# Allegro board 1151864-PCIE3_0_X16-166-20240802_20240815_2000_pcb.brd (continued)
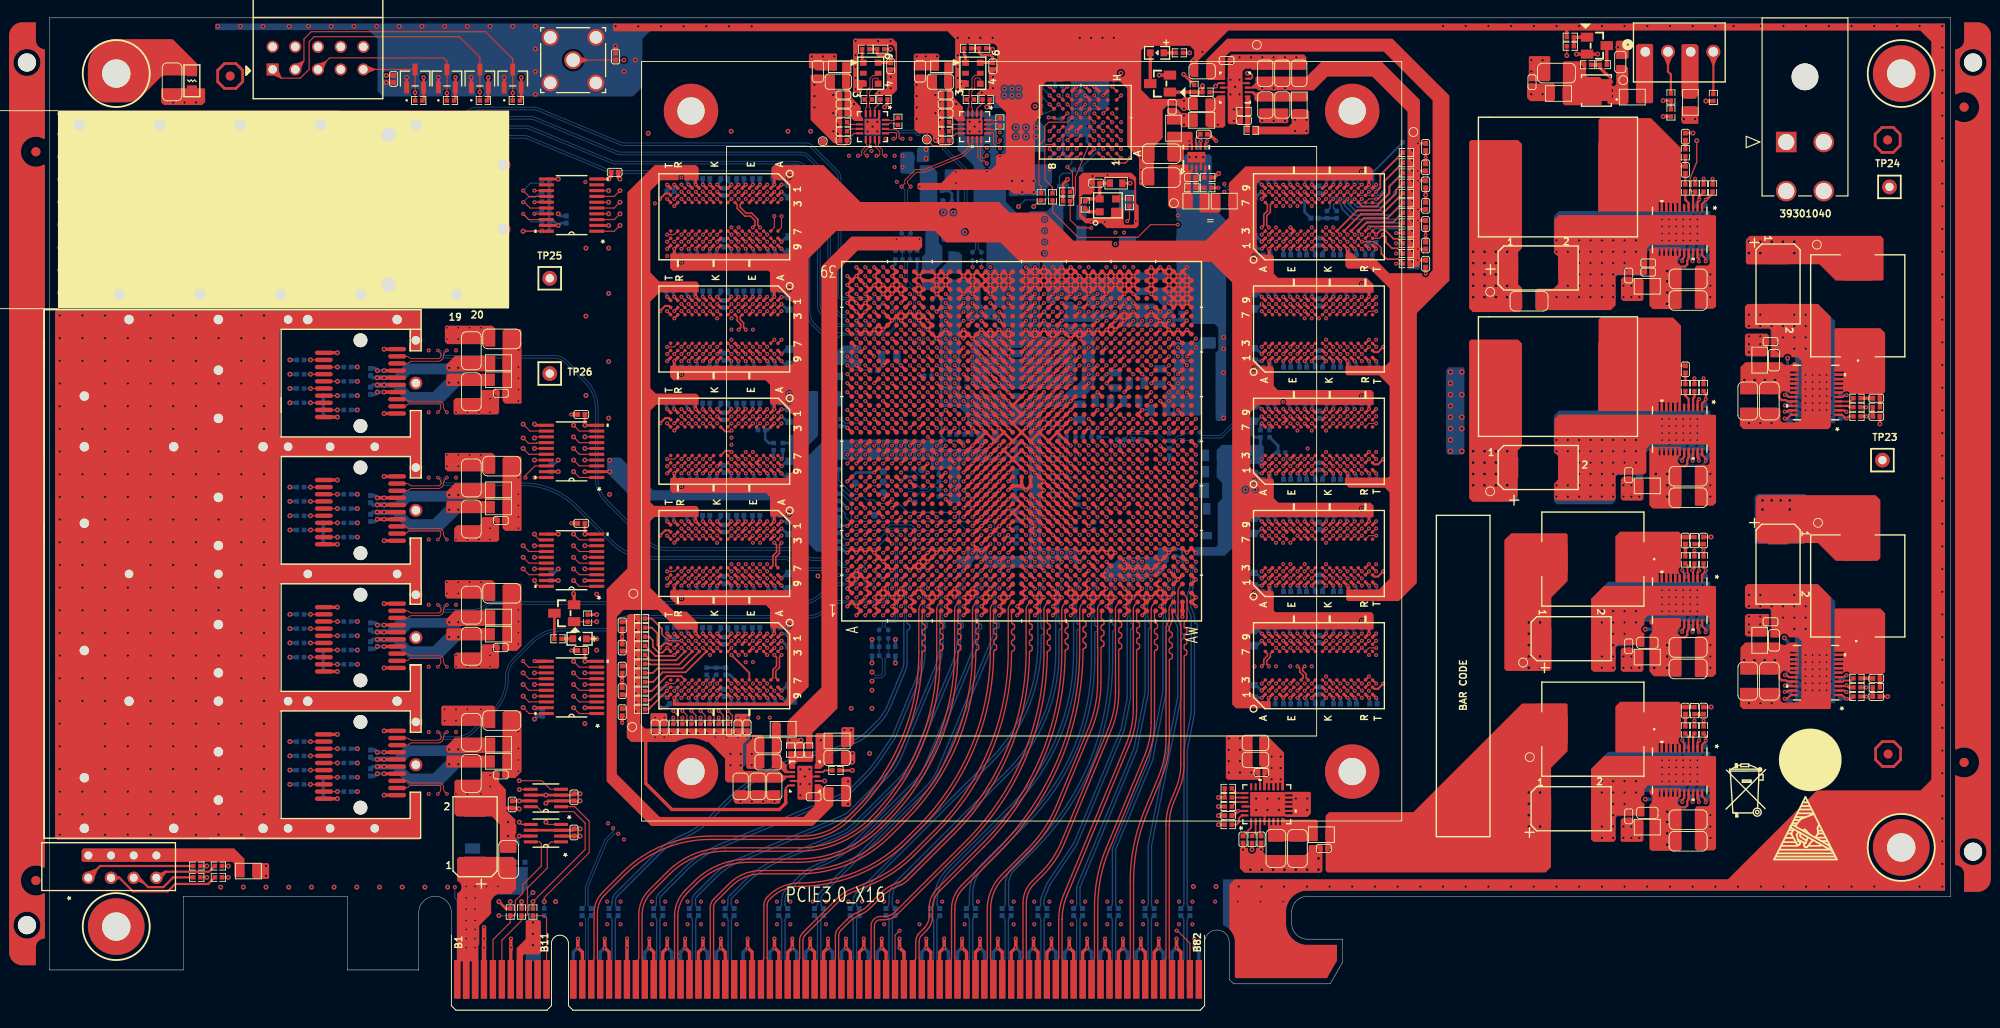
[diagram p0: board, top side]
## Routing (per net, layer and track width the routed paths; a pad name or vN(x,y) marks a point on that pad's centre or on a via; arc(x,y) is an arc through that point) (continued)
FPGA_DDR4_1_LDQS5_T: length 26.1
  TOP w0.127: U1.C29 v1(91.32,73.23) ; U8.G3 v1(77.15,65.73)
  ART10 w0.102: 88.98,72.56 89,72.56 89.07,72.63 90.65,72.63 90.92,72.9 90.92,73.13 91.02,73.23 v1(91.32,73.23)
  ART10 w0.14: 88.98,72.56 87.72,72.56 86.85,71.7 86.38,71.7 85.72,72.35 85.53,72.35 85.13,71.96 85.13,71.76 85.79,71.1 85.79,70.63 85.2,70.05 84.73,70.05 84.08,70.7 83.88,70.7 83.48,70.31 83.48,70.11 84.14,69.45 84.14,68.98 83.75,68.6 83.75,65.8 82.52,64.57 77.81,64.57 77.38,65 77.38,65.49 v1(77.15,65.73)
FPGA_DDR4_1_ODT: length 123.8
  TOP w0.127: U1.M29 v1(100.32,73.23)
  TOP w0.137: v1(75.93,33.53) 76.44,33.02 76.44,32.44 76.08,32.07 R105.1
  TOP w0.229: U6.K3 v1(73.95,53.16) ; U5.K3 v1(73.95,90.87) ; U8.K3 v1(73.95,65.73) ; U4.K3 v1(73.95,78.3) ; U7.K3 v1(73.95,40.58)
  ART03 w0.137: v1(73.95,90.87) 74.17,90.87 74.57,91.27 82.33,91.27
  ART03 w0.155: 82.33,91.27 83.07,91.27 83.23,91.12 83.23,90.81 83.38,90.65 83.75,90.65 83.91,90.81 83.91,92.07 84.06,92.23 84.44,92.23 84.6,92.07 84.6,91.09 84.75,90.93 85.06,90.93 85.22,91.09 85.22,92.07 85.37,92.23 85.68,92.23 85.84,92.07 85.84,91.09 85.99,90.93 86.3,90.93 86.45,91.09 86.45,92.07 86.61,92.23 86.92,92.23 87.07,92.07 87.07,91.09 87.23,90.93 87.54,90.93 87.69,91.09 87.69,92.07 87.85,92.23 88.16,92.23 88.31,92.07 88.31,91.09 88.47,90.93 89.42,90.93 90.96,89.4 92.81,89.4 98.79,83.41 98.79,81.46 98.64,81.3 98.57,81.3 98.41,81.15 98.41,80.84 98.57,80.68 98.64,80.68 98.79,80.53 98.79,80.22 98.64,80.06 98.57,80.06 98.41,79.91 98.41,79.6 98.57,79.44 98.64,79.44 98.79,79.29 98.79,78.16 99.22,77.73 99.22,76.13 99.81,75.54 99.81,75.11 100.19,74.73 100.57,74.73 100.82,74.47 100.82,74.07 100.32,73.56 v1(100.32,73.23)
  ART05 w0.137: v1(73.95,40.58) 75.65,38.88 75.65,34.26 75.93,33.99 v1(75.93,33.53)
  ART10 w0.086: v1(73.95,40.58) 74.35,40.98 74.97,40.98 75.16,41.17 75.16,42.57 72.54,45.19 72.54,45.87 72.75,46.08 72.75,49.94 73.95,51.13 v1(73.95,53.16) 74.35,53.56 74.97,53.56 75.16,53.75 75.16,55.14 72.54,57.76 72.54,58.45 72.75,58.65 72.75,62.48 73.95,63.68 v1(73.95,65.73) 74.35,66.13 74.97,66.13 75.16,66.32 75.16,67.72 72.54,70.33 72.54,71.02 72.75,71.22 72.75,75.03 73.95,76.23 v1(73.95,78.3) 74.35,78.7 74.97,78.7 75.16,78.89 75.16,80.29 72.54,82.91 72.54,83.59 72.75,83.79 72.75,87.15 73.95,88.35 v1(73.95,90.87)
FPGA_DDR4_1_PAR: length 114
  TOP w0.127: U1.H33 v1(96.32,77.23)
  TOP w0.201: R106.1 67.14,41.83 67.55,41.43 67.55,40.69 68.18,40.06 68.62,40.06 v1(69.15,40.58)
  TOP w0.229: U4.T3 v1(69.15,78.3) ; U8.T3 v1(69.15,65.73) ; v1(69.15,40.58) U7.T3 ; U5.T3 v1(69.15,90.87) ; U6.T3 v1(69.15,53.16)
  ART05 w0.137: v1(69.15,90.87) 69.33,90.87 69.73,90.47 70.78,90.47 71.15,90.1 71.15,85.91 71.38,85.67 82.18,85.67
  ART05 w0.155: 82.18,85.67 82.51,85.67 82.67,85.51 82.67,85.07 82.83,84.91 83.14,84.91 83.29,85.07 83.29,85.75 83.45,85.9 83.76,85.9 83.91,85.75 83.91,85.07 84.07,84.91 84.38,84.91 84.53,85.07 84.53,85.75 84.69,85.9 85,85.9 85.15,85.75 85.15,85.07 85.3,84.91 85.61,84.91 85.77,85.07 85.77,85.75 85.92,85.9 86.32,85.9 86.47,85.75 86.47,84.71 87.46,83.72 88.58,83.72 88.74,83.87 88.74,84.12 88.89,84.28 89.2,84.28 89.36,84.12 89.36,83.87 89.51,83.72 90.89,83.72 91.05,83.87 91.05,84.15 91.2,84.3 91.51,84.3 91.67,84.15 91.67,83.87 91.82,83.72 93.15,83.72 93.3,83.87 93.3,84.07 93.46,84.23 93.77,84.23 93.92,84.07 93.92,83.87 94.08,83.72 95.49,83.72 95.87,83.34 95.87,77.68 v1(96.32,77.23)
  ART10 w0.086: v1(69.15,40.58) 68.73,41 68.21,41 67.61,41.6 67.03,42.99 67.03,50.41 68.1,51.48 68.1,51.6 68.05,51.64 68.05,51.76 68.18,51.89 68.3,51.89 68.34,51.84 68.46,51.84 68.59,51.96 68.59,52.09 68.52,52.16 68.52,52.28 68.64,52.4 68.76,52.4 68.83,52.33 68.95,52.33 69.15,52.52 v1(69.15,53.16) 68.73,53.57 68.15,53.57 67.03,54.68 67.03,63.02 67.79,63.77 67.79,63.9 67.68,64 67.68,64.12 67.81,64.25 67.93,64.25 68.03,64.14 68.16,64.14 68.68,64.67 68.68,65.27 v1(69.15,65.73) 68.73,66.14 68.15,66.14 67.03,67.25 67.03,75.59 67.79,76.35 67.79,76.47 67.68,76.58 67.68,76.7 67.81,76.82 67.93,76.82 68.03,76.71 68.16,76.71 68.66,77.22 68.66,77.81 v1(69.15,78.3) 68.73,78.71 68.15,78.71 67.03,79.83 67.03,88.16 67.79,88.92 67.79,89.04 67.68,89.15 67.68,89.27 67.81,89.39 67.93,89.39 68.03,89.29 68.16,89.29 69.15,90.28 v1(69.15,90.87)
FPGA_DDR4_1_RAS_N: length 113.3
  TOP w0.127: U6.L8 v1(73.15,48.36) ; U8.L8 v1(73.15,60.93) ; U5.L8 v1(73.15,86.07) ; U4.L8 v1(73.15,73.5) ; U1.J30 v1(97.32,74.23) ; U7.L8 v1(73.15,35.78)
  ART03 w0.137: v1(73.9,32.77) 73.44,33.22 73.44,33.99 73.55,34.09 73.55,35.38 v1(73.15,35.78)
  ART05 w0.137: 73.55,87.07 U5.L8 v1(73.15,86.07)
  ART05 w0.155: v1(97.32,74.23) 97.32,74.4 97.78,74.85 97.78,80.66 97.93,80.81 98.1,80.81 98.26,80.97 98.26,81.28 98.1,81.43 97.93,81.43 97.78,81.59 97.78,84.43 96.26,85.95 95.85,85.95 95.62,86.18 95.62,86.54 94.6,87.55 93.2,87.55 93.05,87.71 93.05,88.14 92.89,88.29 92.58,88.29 92.43,88.14 92.43,87.71 92.27,87.55 91.96,87.55 91.81,87.71 91.81,88.14 91.65,88.29 91.34,88.29 91.19,88.14 91.19,87.71 91.03,87.55 90.72,87.55 90.57,87.71 90.57,88.14 90.41,88.29 90.1,88.29 89.95,88.14 89.95,87.71 89.79,87.55 89.48,87.55 89.33,87.71 89.33,88.14 89.17,88.29 88.86,88.29 88.71,88.14 88.71,87.71 88.55,87.55 88.24,87.55 88.09,87.71 88.09,88.14 87.93,88.29 87.62,88.29 87.47,88.14 87.47,87.71 87.31,87.55 81.9,87.55 80.38,89.08 75.04,89.08 73.55,87.58 73.55,87.07
  ART12 w0.086: v1(73.15,86.07) 73.24,85.98 73.36,85.98 73.57,85.77 73.81,85.67 74.07,85.67 74.35,85.4 74.35,82.55 74.14,82.34 74.14,82.22 74.26,82.1 74.26,81.98 74.14,81.86 74.02,81.86 73.9,81.98 73.77,81.98 73.65,81.85 73.65,81.73 73.76,81.62 73.76,81.5 73.64,81.38 73.51,81.38 73.41,81.49 73.29,81.49 72.75,80.95 72.75,74.07 73.15,73.67 v1(73.15,73.5) 73.24,73.41 73.36,73.41 73.57,73.2 73.81,73.1 74.07,73.1 74.35,72.83 74.35,69.97 74.14,69.77 74.14,69.65 74.26,69.53 74.26,69.41 74.14,69.28 74.02,69.28 73.9,69.4 73.77,69.4 73.65,69.28 73.65,69.16 73.76,69.05 73.76,68.93 73.64,68.81 73.51,68.81 73.41,68.91 73.29,68.91 72.75,68.38 72.75,61.5 73.15,61.1 v1(73.15,60.93) 73.24,60.84 73.36,60.84 73.57,60.63 73.81,60.53 74.07,60.53 74.35,60.26 74.35,57.4 74.14,57.2 74.14,57.07 74.26,56.95 74.26,56.83 74.14,56.71 74.02,56.71 73.9,56.83 73.77,56.83 73.65,56.71 73.65,56.59 73.76,56.48 73.76,56.36 73.64,56.23 73.51,56.23 73.41,56.34 73.29,56.34 72.75,55.8 72.75,48.92 73.15,48.52 v1(73.15,48.36) 73.24,48.26 73.36,48.26 73.57,48.05 73.81,47.96 74.07,47.96 74.35,47.68 74.35,44.83 74.14,44.62 74.14,44.5 74.26,44.38 74.26,44.26 74.14,44.14 74.02,44.14 73.9,44.26 73.77,44.26 73.65,44.13 73.65,44.01 73.76,43.91 73.76,43.78 73.64,43.66 73.51,43.66 73.41,43.77 73.29,43.77 72.75,43.23 72.75,36.35 73.15,35.95 v1(73.15,35.78)
  BOTTOM w0.201: R96.1 v1(73.9,32.77)
FPGA_DDR4_1_RESET_N: length 103.7
  TOP w0.127: U4.P1 v1(70.75,79.9) ; U1.E31 v1(93.32,75.23) ; U7.P1 v1(70.75,42.18) ; U8.P1 v1(70.75,67.33) ; U5.P1 v1(70.75,92.47) ; U6.P1 v1(70.75,54.76)
  ART03 w0.127: v1(70.75,92.47) 70.14,91.87 67.96,91.87 67.24,91.16 67.24,83.4 v1(70.75,79.9) 70.35,79.5 70.35,72.55 70.34,72.55 70.34,72.54 69.95,72.15 69.95,68.12 v1(70.75,67.33) 70.35,66.93 70.35,59.98 70.34,59.97 70.34,59.97 69.95,59.58 69.95,55.55 v1(70.75,54.76) 70.35,54.36 70.35,47.41 70.34,47.4 70.34,47.39 69.95,47.01 69.95,42.97 v1(70.75,42.18)
  ART05 w0.127: v1(93.32,75.23) 92.96,75.23 92.44,75.74 91.17,75.74 90.79,76.12 90.79,76.45 90.59,76.66 89.22,76.66 88.71,77.17 88.71,77.37 84.85,81.23 67.73,81.23 67.35,81.61 67.35,91.62 67.6,91.87 70.14,91.87 v1(70.75,92.47)
  BOTTOM w0.127: v1(70.75,42.18) 70.08,42.85 R73.1
FPGA_DDR4_1_UDM1_N: length 19.9
  TOP w0.127: U4.E2 v1(78.75,79.1) ; U1.D25 v1(92.32,69.23)
  ART03 w0.137: v1(92.32,69.23) 92.32,69.51 91.81,70.03 91.81,70.41 91.43,70.79 90.16,70.79 89.77,71.17 89.77,71.42 89.52,71.68 88.76,71.68 82.66,77.77 79.31,77.77 79.15,77.94 79.15,78.7 v1(78.75,79.1)
FPGA_DDR4_1_UDM2_N: length 44.6
  TOP w0.127: U1.P25 v1(102.32,69.23) ; U5.E2 v1(78.75,91.67)
  ART10 w0.137: v1(78.75,91.67) 79.15,91.27 81.31,91.27 81.54,91.04 81.54,90.66 81.86,90.35 85.55,90.35 93.77,86.94 94.24,86.94 94.38,87.08 94.38,87.44 94.52,87.58 94.79,87.58 94.93,87.44 94.93,87.08 95.07,86.94 95.34,86.94 95.48,87.08 95.48,87.44 95.61,87.58 95.89,87.58 96.03,87.44 96.03,87.08 96.16,86.94 99.5,86.94 100.75,85.69 arc(101.2,85.14) 101.54,84.51 arc(101.74,83.85) 101.8,83.16 101.8,81.62 102.86,80.57 102.86,71.04 102.26,70.45 102.26,69.29 v1(102.32,69.23)
FPGA_DDR4_1_UDM3_N: length 26.2
  TOP w0.127: U6.E2 v1(78.75,53.96)
  TOP w0.201: U1.E20 v1(93.32,63.23)
  ART03 w0.137: v1(78.75,53.96) 79.22,53.64 79.42,53.56 80.51,53.56 80.75,53.32 80.75,51.88 81.65,50.98 83.04,50.98 84.26,52.2 84.26,57.89 89.04,62.66 92.1,62.66 92.55,62.85 92.66,62.95 v1(93.32,63.23)
FPGA_DDR4_1_UDM4_N: length 46.7
  TOP w0.127: U7.E2 v1(78.75,41.38) ; U1.N22 v1(101.32,66.23)
  ART10 w0.137: v1(101.32,66.23) 101,66.02 100.09,65.58 99.89,65.39 99.76,65.08 98.56,63.87 98.21,63.73 90.38,63.73 89.04,63.18 84.16,58.29 84.16,46.28 83.78,45.9 83.78,40.13 83.02,39.37 80.99,39.37 80.75,39.61 80.75,40.78 80.54,40.98 79.42,40.98 79.03,41.19 v1(78.75,41.38)
FPGA_DDR4_1_UDQS1_C: length 21.6
  TOP w0.127: U1.E23 v1(93.32,67.23) ; U4.A7 v1(81.95,75.1)
  ART03 w0.102: 88.78,65.89 88.81,65.89 88.87,65.83 92.57,65.83 92.72,65.98 92.72,66.49 93.06,66.83 93.56,66.83 93.72,66.99 93.72,67.13 93.62,67.23 v1(93.32,67.23)
  ART03 w0.14: 88.78,65.89 88.45,65.89 88.06,66.28 88.06,66.48 88.28,66.7 88.28,66.9 88.08,67.1 87.88,67.1 87.66,66.88 87.46,66.88 87.08,67.26 87.08,68.89 86.42,69.55 85.95,69.55 85.91,69.5 85.71,69.5 85.31,69.9 85.31,70.1 85.36,70.14 85.36,70.61 83.17,72.8 83.17,73.54 82.24,74.47 81.9,74.47 81.71,74.67 81.71,74.87 v1(81.95,75.1)
FPGA_DDR4_1_UDQS1_T: length 21.6
  TOP w0.127: U1.F23 v1(94.32,67.23) ; U4.B7 v1(81.15,75.1)
  ART03 w0.102: v1(94.32,67.23) 94.02,67.23 93.92,67.13 93.92,66.9 93.65,66.63 93.14,66.63 92.92,66.41 92.92,65.9 92.65,65.63 88.87,65.63 88.81,65.56 88.78,65.56
  ART03 w0.14: 88.78,65.56 88.31,65.56 86.75,67.13 86.75,68.75 86.28,69.22 86.09,69.22 86.04,69.18 85.57,69.18 84.98,69.76 84.98,70.23 85.03,70.28 85.03,70.47 82.84,72.66 82.84,73.4 82.1,74.15 81.77,74.15 81.38,74.53 81.38,74.87 v1(81.15,75.1)
FPGA_DDR4_1_UDQS2_C: length 44.8
  TOP w0.127: U5.A7 81.95,87.67 v1(81.95,88.94) ; U1.M25 v1(100.32,69.23)
  ART10 w0.102: 99.99,83.77 99.99,83.74 99.92,83.68 99.92,68.93 100.03,68.83 100.22,68.83 100.32,68.93 v1(100.32,69.23)
  ART10 w0.14: v1(81.95,88.94) 81.71,88.71 81.71,87.79 82.21,87.3 82.87,87.3 83.01,87.44 83.01,87.54 83.15,87.68 83.43,87.68 83.57,87.54 83.57,87.44 83.71,87.3 85.97,87.3 87.06,86.21 87.26,86.21 87.91,86.86 88.38,86.86 88.97,86.28 88.97,85.81 88.31,85.15 88.31,84.96 88.69,84.58 89.9,84.58 90.04,84.72 90.04,85.83 90.37,86.16 91.15,86.16 91.53,85.77 91.53,84.72 91.7,84.56 99.53,84.56 99.99,84.1 99.99,83.77
FPGA_DDR4_1_UDQS2_T: length 44.7
  TOP w0.127: U5.B7 81.15,87.67 v1(81.15,88.94) ; U1.M24 v1(100.32,68.23)
  ART10 w0.102: 99.66,83.77 99.66,83.74 99.72,83.68 99.72,68.85 99.94,68.63 100.22,68.63 100.32,68.53 v1(100.32,68.23)
  ART10 w0.14: 99.66,83.77 99.66,83.97 99.4,84.23 91.56,84.23 91.2,84.59 91.2,85.64 91.01,85.83 90.5,85.83 90.36,85.69 90.36,84.59 90.03,84.25 88.55,84.25 87.99,84.82 87.99,85.29 88.64,85.94 88.64,86.14 88.24,86.54 88.05,86.54 87.39,85.88 86.92,85.88 85.84,86.97 82.07,86.97 81.38,87.66 81.38,88.71 v1(81.15,88.94)
FPGA_DDR4_1_UDQS3_C: length 29.8
  TOP w0.127: U1.E22 v1(93.32,66.23)
  TOP w0.173: U6.A7 81.31,49.79 81.31,50.77 81.72,51.18 81.72,52.13 v1(81.95,52.36)
  ART03 w0.102: v1(93.32,66.23) 93.62,66.23 93.72,66.13 93.72,64.93 93.66,64.87 93.66,64.85
  ART03 w0.14: 93.66,64.85 93.66,64.39 93.28,64.01 89.77,64.01 89.31,63.55 88.32,63.55 83.27,58.5 83.27,57.98 83.13,57.84 82.54,57.84 82.15,57.46 82.15,56.73 82.54,56.35 83.13,56.35 83.27,56.21 83.27,55.18 83.13,55.04 82.95,55.04 82.81,54.9 82.81,54.62 82.95,54.48 83.13,54.48 83.27,54.34 83.27,54.06 83.13,53.92 82.95,53.92 82.81,53.78 82.81,53.5 82.95,53.36 83.13,53.36 83.27,53.22 83.27,52.73 82.41,51.87 81.93,51.87 81.79,52.01 81.79,52.2 v1(81.95,52.36)
FPGA_DDR4_1_UDQS3_T: length 29.8
  TOP w0.127: U1.F22 v1(94.32,66.23)
  TOP w0.173: U6.B7 80.98,49.79 80.98,50.9 81.39,51.31 81.39,52.11 v1(81.15,52.36)
  ART03 w0.102: v1(94.32,66.23) 94.02,66.23 93.92,66.13 93.92,64.93 93.98,64.87 93.98,64.85
  ART03 w0.14: v1(81.15,52.36) 81.47,52.03 81.47,51.87 81.8,51.54 82.54,51.54 83.6,52.59 83.6,56.34 83.27,56.67 82.67,56.67 82.48,56.86 82.48,57.32 82.67,57.51 83.27,57.51 83.6,57.84 83.6,58.37 88.46,63.22 89.45,63.22 89.9,63.68 93.42,63.68 93.98,64.25 93.98,64.85
FPGA_DDR4_1_UDQS4_C: length 46.1
  TOP w0.173: v1(81.95,39.78) 81.72,39.56 81.72,38.4 81.31,37.99 81.31,37.22 U7.A7 ; U1.K22 v1(99.32,65.23)
  ART10 w0.102: 97.14,64.45 97.17,64.45 97.23,64.52 97.58,64.52 97.92,64.86 97.92,65.42 98.13,65.63 99.22,65.63 99.32,65.53 v1(99.32,65.23)
  ART10 w0.14: 97.14,64.45 89.15,64.45 83.5,58.8 83.5,46.66 82.99,46.15 81.81,46.15 81.62,45.96 81.62,45.02 81.76,44.88 82.17,44.88 82.31,44.74 82.31,44.46 82.17,44.33 81.76,44.33 81.62,44.19 81.62,43.54 83.09,42.07 83.09,40.38 82.54,39.82 82.17,39.82 82.13,39.78 v1(81.95,39.78)
FPGA_DDR4_1_UDQS4_T: length 46
  TOP w0.173: U1.L22 v1(99.32,66.23) ; U7.B7 80.98,37.22 80.98,38.12 81.39,38.53 81.39,39.54 v1(81.15,39.78)
  ART10 w0.102: 82.12,40.17 81.65,40.17 81.26,39.78 v1(81.15,39.78) ; 97.14,64.78 97.17,64.78 97.23,64.72 97.5,64.72 97.72,64.94 97.72,65.5 98.05,65.83 99.22,65.83 99.32,65.93 v1(99.32,66.23)
  ART10 w0.14: 97.14,64.78 89.02,64.78 83.17,58.93 83.17,46.79 82.86,46.48 81.67,46.48 81.29,46.1 81.29,43.41 82.76,41.94 82.76,40.51 82.4,40.15 82.14,40.15 82.12,40.17
FPGA_DDR4_1_WE_N: length 127.1
  TOP w0.127: U7.L2 v1(73.15,41.38) ; U8.L2 v1(73.15,66.53) ; U4.L2 v1(73.15,79.1) ; U5.L2 v1(73.15,91.67) ; U1.N28 v1(101.32,72.23) ; U6.L2 v1(73.15,53.96)
  ART03 w0.137: v1(73.15,91.67) 73.55,92.08 73.55,92.73 ; v1(74.92,32.77) 74.81,32.77 74.35,33.23 74.35,38.47 73.55,39.27 73.55,40.98 v1(73.15,41.38)
  ART03 w0.155: 73.55,92.73 74.1,93.28 75.23,93.75 90.32,93.75 90.48,93.6 90.48,93.32 90.63,93.17 90.94,93.17 91.1,93.32 91.1,93.6 91.25,93.75 91.75,93.75 92.72,93.35 93.56,92.5 93.56,92.28 93.29,92.01 93.29,91.79 93.51,91.57 93.72,91.57 94,91.85 94.22,91.85 94.44,91.63 94.44,91.41 94.16,91.13 94.16,90.91 94.78,90.3 95.29,90.3 95.82,89.76 95.82,88.72 95.97,88.57 96.3,88.57 96.46,88.72 96.46,88.95 96.61,89.1 96.92,89.1 97.08,88.95 97.08,88.72 97.23,88.57 97.67,88.57 98.19,88.06 98.19,87.84 97.95,87.6 97.95,87.38 98.17,87.16 98.39,87.16 98.63,87.4 98.85,87.4 99.06,87.18 99.06,86.96 98.83,86.72 98.83,86.5 99.05,86.28 99.26,86.28 99.5,86.52 99.72,86.52 100.72,85.53 101.34,84.02 101.34,76.45 102.07,75.72 102.58,75.72 102.86,75.44 102.86,74.09 102.49,73.73 102.22,73.73 101.84,73.35 101.84,72.95 101.32,72.43 v1(101.32,72.23)
  ART10 w0.086: v1(73.15,91.67) 73.15,91.45 73.55,91.05 73.55,88.71 71.97,87.13 71.97,85.12 71.99,85.11 71.99,82.75 74.11,80.63 74.32,80.13 74.32,79.75 74.07,79.5 73.74,79.5 73.34,79.1 v1(73.15,79.1) 73.15,78.87 73.55,78.48 73.55,76.29 71.97,74.71 71.97,72.55 71.99,72.53 71.99,70.18 74.11,68.05 74.32,67.56 74.32,67.17 74.07,66.93 73.74,66.93 73.34,66.53 v1(73.15,66.53) 73.15,66.3 73.55,65.9 73.55,63.79 71.97,62.22 71.97,59.97 71.99,59.96 71.99,57.61 74.11,55.48 74.32,54.98 74.32,54.6 74.07,54.36 73.74,54.36 73.34,53.96 v1(73.15,53.96) 73.15,53.73 73.55,53.33 73.55,51.24 71.97,49.67 71.97,47.4 71.99,47.39 71.99,45.03 74.11,42.91 74.32,42.41 74.32,42.03 74.07,41.78 73.74,41.78 73.34,41.38 v1(73.15,41.38)
  BOTTOM w0.201: R93.1 v1(74.92,32.77)
FPGA_DDR4_2_A0: length 130.2
  TOP w0.127: U11.P3 v1(146.89,36.58) ; U9.P3 v1(146.89,86.87) ; U12.P3 v1(146.89,49.16) ; U1.AK18 v1(119.32,61.23) ; U13.P3 v1(146.89,61.73) ; U10.P3 v1(146.89,74.3)
  TOP w0.201: U9.P3 147.48,88.26 150.41,88.26 R120.1
  ART03 w0.155: v1(146.89,36.58) 146.89,37.57 145.17,39.29 141.92,39.29 141.67,39.55 132.09,39.55 131.94,39.39 131.94,38.99 131.78,38.84 131.36,38.84 131.2,38.99 131.2,39.04 131.05,39.19 130.74,39.19 130.58,39.04 130.58,38.48 130.43,38.33 130.07,38.33 129.92,38.48 129.92,38.63 129.76,38.79 129.45,38.79 129.3,38.63 129.3,38.36 129.14,38.2 128.83,38.2 128.68,38.36 128.68,38.63 128.52,38.79 128.21,38.79 128.06,38.63 128.06,38.36 127.9,38.2 127.59,38.2 127.44,38.36 127.44,38.63 127.28,38.79 126.98,38.79 126.82,38.63 126.82,38.36 126.67,38.2 126.36,38.2 126.2,38.36 126.2,38.63 126.05,38.79 125.74,38.79 125.58,38.63 125.58,38.36 125.43,38.2 125.12,38.2 124.96,38.36 124.96,38.63 124.81,38.79 124.5,38.79 124.34,38.63 124.34,38.36 124.19,38.2 123.88,38.2 123.72,38.36 123.72,38.63 123.57,38.79 123.26,38.79 123.1,38.63 123.1,38.36 122.95,38.2 122.64,38.2 122.48,38.36 122.48,38.63 122.33,38.79 122.02,38.79 121.86,38.63 121.86,38.36 121.71,38.2 121.4,38.2 121.24,38.36 121.24,38.63 121.09,38.79 119.92,38.79 118.32,40.39 118.32,44.04 117.84,44.53 117.84,60.38 118.22,60.76 118.6,60.76 119.08,61.23 v1(119.32,61.23)
  ART12 w0.086: v1(146.89,36.58) 147.28,37.52 147.78,38.02 148.17,38.18 149.59,39.6 149.72,39.91 149.72,44.21 149.15,47.08 148.86,47.77 148.7,47.93 148.32,47.93 148.07,48.18 147.69,48.18 146.89,48.98 v1(146.89,49.16) 146.89,49.8 149.72,52.63 149.72,56.78 149.15,59.65 148.86,60.35 148.7,60.5 148.32,60.5 148.07,60.76 147.69,60.76 146.89,61.55 v1(146.89,61.73) 146.89,62.35 149.72,65.18 149.72,69.35 149.15,72.22 148.86,72.92 148.7,73.08 148.32,73.08 148.07,73.33 147.69,73.33 146.89,74.12 v1(146.89,74.3) 146.89,74.9 149.72,77.72 149.72,81.91 149.14,84.81 148.86,85.49 148.7,85.65 148.32,85.65 148.07,85.9 147.69,85.9 146.89,86.7 v1(146.89,86.87)
FPGA_DDR4_2_A1: length 127.7
  TOP w0.127: U13.P7 v1(146.89,65.73) ; U9.P7 v1(146.89,90.87) ; U12.P7 v1(146.89,53.16) ; U11.P7 v1(146.89,40.58) ; U10.P7 v1(146.89,78.3) ; U1.AR21 v1(124.32,65.23)
  TOP w0.201: R121.1 149.97,92.27 149.97,91.47 148.54,90.04 146.93,90.04 U9.P7
  ART03 w0.137: 146.49,42.61 146.49,40.99 146.89,40.59 v1(146.89,40.58)
  ART03 w0.155: 146.49,42.61 146.39,42.71 146.39,46.81 146.24,46.96 145.82,46.96 145.66,46.81 145.66,46.21 145.51,46.05 145.2,46.05 145.04,46.21 145.04,46.81 144.89,46.96 144.58,46.96 144.42,46.81 144.42,46.21 144.27,46.05 143.96,46.05 143.8,46.21 143.8,46.81 143.65,46.96 143.34,46.96 143.18,46.81 143.18,46.21 143.03,46.05 142.72,46.05 142.56,46.21 142.56,46.81 142.41,46.96 142.1,46.96 141.94,46.81 141.94,46.21 141.79,46.05 141.48,46.05 141.32,46.21 141.32,46.81 141.17,46.96 140.86,46.96 140.71,46.81 140.71,46.21 140.55,46.05 140.24,46.05 140.09,46.21 140.09,46.81 139.93,46.96 139.62,46.96 139.47,46.81 139.47,46.21 139.31,46.05 139,46.05 138.85,46.21 138.85,46.81 138.69,46.96 138.38,46.96 138.23,46.81 138.23,46.21 138.07,46.05 137.76,46.05 137.61,46.21 137.61,46.81 137.45,46.96 137.14,46.96 136.99,46.81 136.99,46.21 136.83,46.05 136.52,46.05 136.37,46.21 136.37,46.81 136.21,46.96 135.62,46.96 135.42,47.17 133.78,47.17 130.16,48.67 126.05,48.67 125.89,48.82 125.89,49.43 125.59,49.73 125.03,49.73 124.83,49.94 124.83,63.35 124.32,63.85 v1(124.32,65.23)
  ART10 w0.086: v1(146.89,40.58) 146.89,40.85 146.49,41.25 146.49,41.51 146.77,41.78 147.02,41.78 147.29,42.05 147.29,43.52 147.67,43.9 147.79,43.9 147.88,43.8 148,43.8 148.13,43.92 148.13,44.05 148.03,44.14 148.03,44.26 148.89,45.12 148.89,50.53 146.89,52.53 v1(146.89,53.16) 146.89,53.42 146.49,53.82 146.49,54.08 146.77,54.36 147.02,54.36 147.29,54.63 147.29,56.1 147.67,56.47 147.79,56.47 147.88,56.38 148,56.38 148.13,56.5 148.13,56.62 148.03,56.71 148.03,56.84 148.89,57.7 148.89,63.11 146.89,65.11 v1(146.89,65.73) 146.89,65.99 146.49,66.39 146.49,66.66 146.77,66.93 147.02,66.93 147.29,67.2 147.29,68.67 147.67,69.04 147.79,69.04 147.88,68.95 148,68.95 148.13,69.07 148.13,69.19 148.03,69.29 148.03,69.41 148.89,70.27 148.89,75.68 146.89,77.68 v1(146.89,78.3) 146.89,78.57 146.49,78.97 146.49,79.23 146.77,79.5 147.02,79.5 147.29,79.77 147.29,81.24 147.67,81.62 147.79,81.62 147.88,81.52 148,81.52 148.13,81.64 148.13,81.77 148.03,81.86 148.03,81.98 148.89,82.84 148.89,88.25 146.89,90.25 v1(146.89,90.87)
FPGA_DDR4_2_A2: length 129.2
  TOP w0.127: U1.AH21 v1(117.32,65.23)
  TOP w0.201: R122.1 151.07,87.78 147.8,87.78 v1(147.69,87.67)
  TOP w0.229: U9.R3 v1(147.69,87.67) ; U11.R3 v1(147.69,37.38) ; U10.R3 v1(147.69,75.1) ; U13.R3 v1(147.69,62.53) ; U12.R3 v1(147.69,49.96)
  ART05 w0.155: v1(117.32,65.23) 115.81,63.72 115.81,62.03 115.56,61.77 115.05,61.77 114.79,61.52 114.79,46.05 115.43,45.42 115.43,44.99 115.78,44.15 116.39,43.54 116.57,43.54 119.19,40.92 122.06,40.92 124.19,38.79 126.73,38.79 126.88,38.63 126.88,38.36 127.04,38.2 127.35,38.2 127.5,38.36 127.5,38.63 127.66,38.79 128.08,38.79 128.23,38.63 128.23,38.2 128.39,38.05 128.7,38.05 128.85,38.2 128.85,38.63 129.01,38.79 129.31,38.79 129.47,38.63 129.47,38.2 129.62,38.05 129.93,38.05 130.09,38.2 130.09,38.63 130.24,38.79 130.55,38.79 130.71,38.63 130.71,38.2 130.86,38.05 133.82,38.05 134.48,37.39 141.87,37.39 142.53,38.05 143.14,38.05 143.81,37.38 v1(147.69,37.38)
  ART12 w0.086: v1(147.69,37.38) 147.83,37.38 149.97,39.52 149.97,44.98 149.6,46.85 149.13,47.99 148.94,48.18 148.45,48.18 148.19,48.44 147.81,48.44 147.31,48.95 147.31,49.32 147.48,49.74 v1(147.69,49.96) 147.69,50.17 149.97,52.45 149.97,57.81 149.61,59.61 149.27,60.43 148.95,60.75 148.45,60.75 148.19,61.01 147.81,61.01 147.31,61.52 147.31,62.14 v1(147.69,62.53) 147.69,62.72 149.97,65 149.97,70.38 149.61,72.18 149.27,73.01 148.95,73.33 148.45,73.33 148.19,73.58 147.81,73.58 147.31,74.09 147.31,74.71 v1(147.69,75.1) 147.69,75.27 149.97,77.55 149.97,82.06 149.27,85.58 148.95,85.9 148.45,85.9 148.19,86.16 147.81,86.16 147.31,86.66 147.31,87.29 v1(147.69,87.67)
FPGA_DDR4_2_A3: length 129.7
  TOP w0.127: U10.N7 v1(146.09,78.3) ; U1.AR19 v1(124.32,62.23) ; U12.N7 v1(146.09,53.16) ; U9.N7 v1(146.09,90.87) ; U13.N7 v1(146.09,65.73) ; U11.N7 v1(146.09,40.58)
  ART03 w0.137: v1(146.09,40.58) 146.09,40.63 145.69,41.03 145.69,41.58 145.49,41.78 145.13,41.78 144.89,42.02 144.89,42.56
  ART03 w0.155: v1(124.32,62.23) 124.32,62.03 122.79,60.5 122.79,45.21 123.28,44.73 129.21,44.73 129.37,44.88 129.37,45.82 129.52,45.97 129.83,45.97 129.99,45.82 129.99,44.88 130.14,44.73 130.45,44.73 130.61,44.88 130.61,45.82 130.76,45.97 131.07,45.97 131.23,45.82 131.23,44.88 131.38,44.73 131.69,44.73 131.85,44.88 131.85,45.82 132,45.97 132.31,45.97 132.47,45.82 132.47,44.88 132.62,44.73 132.93,44.73 133.09,44.88 133.09,45.82 133.24,45.97 133.55,45.97 133.71,45.82 133.71,45.29 133.86,45.14 143.3,45.14 143.46,44.98 143.46,43.36 143.61,43.21 143.92,43.21 144.08,43.36 144.08,44.98 144.23,45.14 144.84,45.14 145.4,44.57 145.4,44.06 145.25,43.91 144.87,43.91 144.71,43.75 144.71,43.44 144.87,43.29 145.25,43.29 145.4,43.13 145.4,42.82 145.25,42.68 145.01,42.68 144.89,42.56
  ART10 w0.086: v1(146.09,40.58) 146.09,40.76 145.69,41.16 145.69,44.13 145.91,44.35 145.91,44.47 145.74,44.64 145.74,44.77 145.86,44.89 145.99,44.89 146.16,44.72 146.28,44.72 146.4,44.84 146.4,44.96 146.24,45.12 146.24,45.24 146.36,45.36 146.49,45.36 146.64,45.21 146.77,45.21 147.29,45.73 147.29,50.99 146.09,52.19 v1(146.09,53.16) 146.09,53.33 145.69,53.73 145.69,56.71 145.91,56.92 145.91,57.05 145.74,57.22 145.74,57.34 145.86,57.46 145.99,57.46 146.16,57.29 146.28,57.29 146.4,57.41 146.4,57.54 146.24,57.69 146.24,57.81 146.36,57.94 146.49,57.94 146.64,57.78 146.77,57.78 147.29,58.31 147.29,63.56 146.09,64.76 v1(146.09,65.73) 146.09,65.91 145.69,66.3 145.69,69.28 145.91,69.5 145.91,69.62 145.74,69.79 145.74,69.91 145.86,70.03 145.99,70.03 146.16,69.86 146.28,69.86 146.4,69.99 146.4,70.11 146.24,70.27 146.24,70.39 146.36,70.51 146.49,70.51 146.64,70.35 146.77,70.35 147.29,70.88 147.29,76.13 146.09,77.34 v1(146.09,78.3) 146.09,78.48 145.69,78.88 145.69,81.85 145.91,82.07 145.91,82.19 145.74,82.36 145.74,82.48 145.86,82.61 145.99,82.61 146.16,82.44 146.28,82.44 146.4,82.56 146.4,82.68 146.24,82.84 146.24,82.96 146.36,83.08 146.49,83.08 146.64,82.93 146.77,82.93 147.29,83.45 147.29,88.71 146.09,89.91 v1(146.09,90.87)
  BOTTOM w0.201: R123.1 149.98,92.28 149.98,91.62 148.75,90.4 146.67,90.4 146.19,90.87 v1(146.09,90.87)
FPGA_DDR4_2_A4: length 134.9
  TOP w0.127: U10.N3 v1(146.09,74.3) ; U12.N3 v1(146.09,49.16) ; U11.N3 v1(146.09,36.58) ; U13.N3 v1(146.09,61.73) ; U9.N3 v1(146.09,86.87) ; U1.AJ19 v1(118.32,62.23)
  TOP w0.201: R124.1 149.78,88.73 147.15,88.73 U9.N3
  ART03 w0.155: v1(146.09,36.58) 146.09,36.95 144.66,38.38 142.25,38.38 141.9,38.02 134.42,38.02 133.79,37.76 133.59,37.85 133.35,38.43 133.15,38.51 132.86,38.39 132.78,38.19 133.02,37.61 132.93,37.41 132.46,37.21 131.87,37.21 131.71,37.06 131.71,36.78 131.56,36.63 131.25,36.63 131.09,36.78 131.09,37.06 130.94,37.21 130.63,37.21 130.47,37.06 130.47,36.78 130.32,36.63 130.01,36.63 129.85,36.78 129.85,37.06 129.7,37.21 119.7,37.21 117,39.9 117,40.16 116.85,40.31 115.99,40.31 115.83,40.47 115.83,40.78 115.99,40.93 116.85,40.93 117,41.09 117,41.4 116.85,41.55 115.84,41.55 115.68,41.71 115.68,42.02 115.84,42.17 116.85,42.17 117,42.33 117,42.85 115.28,44.58 115.28,45.57 115.81,46.1 115.81,60.38 116.19,60.76 116.57,60.76 116.83,61.01 116.83,61.52 117.08,61.77 117.59,61.77 118.04,62.23 v1(118.32,62.23)
  ART12 w0.086: v1(146.09,36.58) 146.44,37.41 147.73,38.71 148.17,38.89 149,39.72 149.16,40.1 149.16,43.95 148.46,45.63 147.31,46.79 147.31,47.68 147.05,47.93 146.79,47.93 146.49,48.23 146.49,48.54 146.09,48.94 v1(146.09,49.16) 146.09,49.84 149.16,52.91 149.16,56.52 148.46,58.2 147.31,59.36 147.31,60.25 147.05,60.5 146.79,60.5 146.49,60.8 146.49,61.09 146.09,61.49 v1(146.09,61.73) 146.09,62.42 149.16,65.48 149.16,69.09 148.46,70.78 147.31,71.93 147.31,72.82 147.05,73.08 146.79,73.08 146.49,73.37 146.49,73.66 146.09,74.06 v1(146.09,74.3) 146.09,74.99 149.16,78.05 149.16,81.67 148.46,83.35 147.31,84.51 147.31,85.39 147.05,85.65 146.79,85.65 146.49,85.95 146.49,86.33 146.09,86.73 v1(146.09,86.87)